# KiCad board panel_r0.1.kicad_pcb (continued)
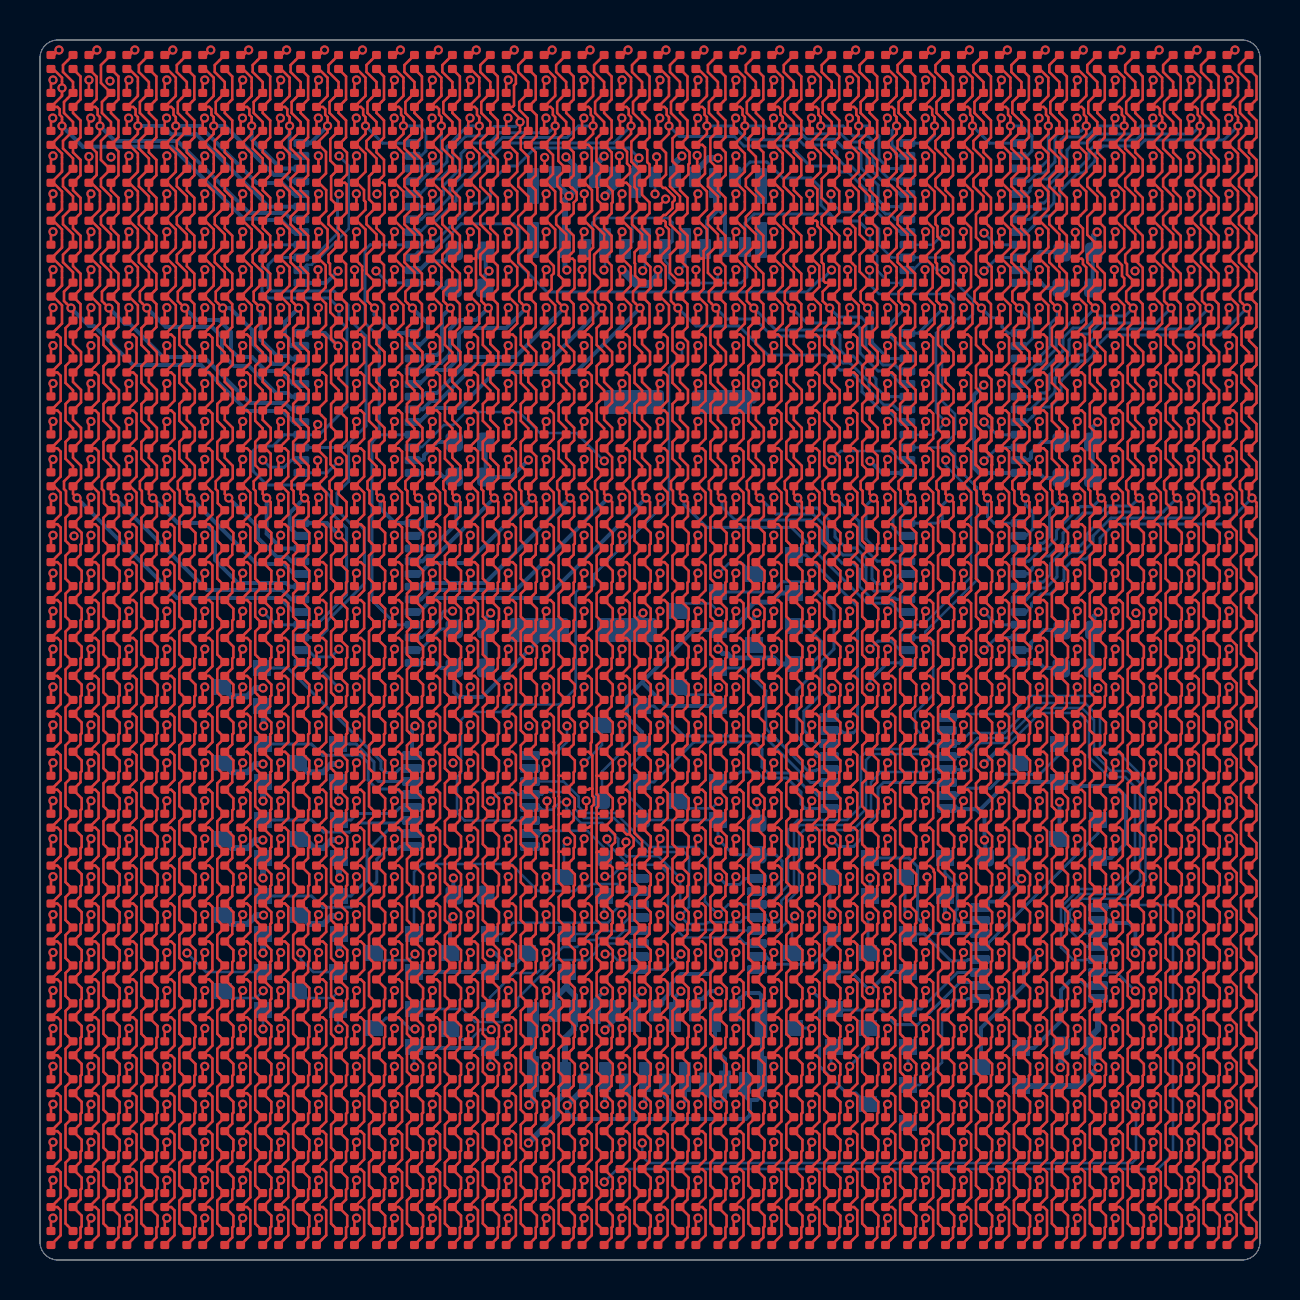
[diagram p0: board, top side]
## Routing (per net, layer and track width the routed paths; a pad name or vN(x,y) marks a point on that pad's centre or on a via; arc(x,y) is an arc through that point) (continued)
  Bottom w0.15: U6.6 42.82,33.03 42.75,33.1 41.55,33.1 40.97,33.67 40.97,34.53 40.65,34.85 40.1,34.85 39.1,35.85 39.1,36.45 38.55,37 34.75,37 34.1,37.65 v1(34.1,38.1)
COL_GA18: length 79.6
  Top w0.127: D19.3 36.17,59.18 36.17,58.03 D51.3 35.79,57.35 36.17,56.98 36.17,56.13 D83.3 36.17,55.38 36.17,54.23 D115.3 35.79,53.49 36.17,53.11 36.17,52.34 D147.3 35.79,51.59 36.17,51.21 36.17,50.44 D179.3 35.79,49.69 36.17,49.32 36.17,48.54 D211.3 36.17,47.8 36.17,46.65 D243.3 35.79,45.8 36.19,45.4 36.19,44.78 D275.3 35.82,44.38 36.19,44.01 36.19,42.88 D307.3 35.79,42.01 36.19,41.61 36.19,40.98 D339.3 35.79,40.11 36.19,39.71 36.19,39.09 D371.3 35.79,38.3 v1(35.99,38.1) 36.19,37.9 36.19,37.19 D403.3 36.22,36.36 36.22,35.82 36.17,35.76 36.17,35.27 D435.3 36.22,34.46 36.22,33.92 36.17,33.87 36.17,33.37 D467.3 36.22,32.57 36.22,32.03 36.17,31.97 36.17,31.47 D499.3 36.22,30.67 36.22,30.13 36.17,30.07 36.17,29.58 D531.3 36.22,28.77 36.22,28.23 36.17,28.18 36.17,27.68 D563.3 36.22,26.87 36.22,26.34 36.17,26.28 36.17,25.78 D595.3 36.22,24.98 36.22,24.44 36.17,24.38 36.17,23.89 D627.3 36.22,23.08 36.22,22.54 36.17,22.49 36.17,21.99 D659.3 36.22,21.18 36.22,20.65 36.17,20.59 36.17,20.09 D691.3 36.22,19.29 36.22,18.75 36.17,18.69 36.17,18.2 D723.3 36.22,17.39 36.22,16.85 36.17,16.8 36.17,16.3 D755.3 36.22,15.49 36.22,14.96 36.17,14.9 36.17,14.4 D787.3 36.22,13.6 36.22,13.06 36.17,13 36.17,12.51 D819.3 36.22,11.7 36.22,11.16 36.17,11.11 36.17,10.61 D851.3 36.22,9.8 36.22,9.27 36.17,9.21 36.17,8.71 D883.3 36.22,7.91 36.22,7.37 36.17,7.31 36.17,6.82 D915.3 36.22,6.01 36.22,5.47 36.17,5.42 36.17,4.92 D947.3 36.22,4.11 36.22,3.58 36.17,3.52 36.17,3.02 D979.3 36.22,2.22 36.22,1.68 36.17,1.62 36.17,1.13 D1011.3
  Bottom w0.15: v1(35.99,38.1) 36.79,37.3 38.65,37.3 39.38,36.58 39.38,36.03 40.15,35.25 40.7,35.25 41.3,34.65 41.3,33.85 41.7,33.45 42.65,33.45 42.87,33.67 U6.7
COL_GA19: length 77.8
  Top w0.127: D20.3 38.06,59.18 38.06,58.03 D52.3 37.69,57.35 38.06,56.98 38.06,56.13 D84.3 37.69,55.38 38.06,55.01 38.06,54.23 D116.3 37.69,53.49 38.06,53.11 38.06,52.34 D148.3 37.69,51.59 38.06,51.21 38.06,50.44 D180.3 37.69,49.69 38.06,49.32 38.06,48.54 D212.3 38.06,47.8 38.06,46.65 D244.3 37.69,45.8 38.09,45.4 38.09,44.78 D276.3 37.69,43.9 38.09,43.5 38.09,42.88 D308.3 37.69,42.01 38.09,41.61 38.09,40.98 D340.3 37.69,40.11 38.09,39.71 38.09,39.09 D372.3 37.69,38.3 v1(37.89,38.1) 38.09,37.9 38.09,37.19 D404.3 38.12,36.36 38.12,35.82 38.06,35.76 38.06,35.27 D436.3 38.12,34.46 38.12,33.92 38.06,33.87 38.06,33.37 D468.3 38.12,32.57 38.12,32.03 38.06,31.97 38.06,31.47 D500.3 38.12,30.67 38.12,30.13 38.06,30.07 38.06,29.58 D532.3 38.12,28.77 38.12,28.23 38.06,28.18 38.06,27.68 D564.3 38.12,26.87 38.12,26.34 38.06,26.28 38.06,25.78 D596.3 38.12,24.98 38.12,24.44 38.06,24.38 38.06,23.89 D628.3 38.12,23.08 38.12,22.54 38.06,22.49 38.06,21.99 D660.3 38.12,21.18 38.12,20.65 38.06,20.59 38.06,20.09 D692.3 38.12,19.29 38.12,18.75 38.06,18.69 38.06,18.2 D724.3 38.12,17.39 38.12,16.85 38.06,16.8 38.06,16.3 D756.3 38.12,15.49 38.12,14.96 38.06,14.9 38.06,14.4 D788.3 38.12,13.6 38.12,13.06 38.06,13 38.06,12.51 D820.3 38.12,11.7 38.12,11.16 38.06,11.11 38.06,10.61 D852.3 38.12,9.8 38.12,9.27 38.06,9.21 38.06,8.71 D884.3 38.12,7.91 38.12,7.37 38.06,7.31 38.06,6.82 D916.3 38.12,6.01 38.12,5.47 38.06,5.42 38.06,4.92 D948.3 38.12,4.11 38.12,3.58 38.06,3.52 38.06,3.02 D980.3 38.12,2.22 38.12,1.68 38.06,1.62 38.06,1.13 D1012.3
  Bottom w0.15: v1(37.89,38.1) 37.89,37.77 38.06,37.6 38.85,37.6 39.75,36.7 39.75,36.15 40.3,35.6 40.8,35.6 41.6,34.8 41.6,34.05 41.85,33.8 42.5,33.8 42.95,34.25 43.32,34.25 U6.8
COL_GA20: length 74.9
  Top w0.127: D1013.3 39.96,1.13 39.96,1.62 40.02,1.68 40.02,2.22 D981.3 39.96,3.02 39.96,3.52 40.02,3.58 40.02,4.11 D949.3 39.96,4.92 39.96,5.42 40.02,5.47 40.02,6.01 D917.3 39.96,6.82 39.96,7.31 40.02,7.37 40.02,7.91 D885.3 39.96,8.71 39.96,9.21 40.02,9.27 40.02,9.8 D853.3 39.96,10.61 39.96,11.11 40.02,11.16 40.02,11.7 D821.3 39.96,12.51 39.96,13 40.02,13.06 40.02,13.6 D789.3 39.96,14.4 39.96,14.9 40.02,14.96 40.02,15.49 D757.3 39.96,16.3 39.96,16.8 40.02,16.85 40.02,17.39 D725.3 39.96,18.2 39.96,18.69 40.02,18.75 40.02,19.29 D693.3 39.96,20.09 39.96,20.59 40.02,20.65 40.02,21.18 D661.3 39.96,21.99 39.96,22.49 40.02,22.54 40.02,23.08 D629.3 39.96,23.89 39.96,24.38 40.02,24.44 40.02,24.98 D597.3 39.96,25.78 39.96,26.28 40.02,26.34 40.02,26.87 D565.3 39.96,27.68 39.96,28.18 40.02,28.23 40.02,28.77 D533.3 39.96,29.58 39.96,30.07 40.02,30.13 40.02,30.67 D501.3 39.96,31.47 39.96,31.97 40.02,32.03 40.02,32.57 D469.3 39.96,33.37 39.96,33.87 40.02,33.92 40.02,34.46 D437.3 39.96,35.27 39.96,35.76 40.02,35.82 40.02,36.36 D405.3 39.99,37.19 39.99,37.9 v1(39.79,38.1) 39.59,38.3 D373.3 39.99,39.09 39.99,40.16 39.59,40.56 D341.3 39.99,40.98 39.99,41.61 39.59,42.01 D309.3 39.99,42.88 39.99,43.5 39.59,43.9 D277.3 39.99,44.78 39.99,45.4 39.59,45.8 D245.3 39.96,46.65 39.96,47.8 D213.3 39.96,48.54 39.96,49.69 D181.3 39.96,50.44 39.96,51.21 39.59,51.59 D149.3 39.96,52.34 39.96,53.44 39.59,53.81 D117.3 39.96,54.23 39.96,55.01 39.59,55.38 D85.3 39.96,56.13 39.96,56.98 39.59,57.35 D53.3 39.96,58.03 39.96,59.18 D21.3
  Bottom w0.15: U6.9 41.86,34.94 40.95,35.85 40.95,36.94 v1(39.79,38.1)
COL_GA21: length 73.9
  Top w0.127: D1014.3 41.86,1.13 41.86,1.62 41.91,1.68 41.91,2.22 D982.3 41.86,3.02 41.86,3.52 41.91,3.58 41.91,4.11 D950.3 41.86,4.92 41.86,5.42 41.91,5.47 41.91,6.01 D918.3 41.86,6.82 41.86,7.31 41.91,7.37 41.91,7.91 D886.3 41.86,8.71 41.86,9.21 41.91,9.27 41.91,9.8 D854.3 41.86,10.61 41.86,11.11 41.91,11.16 41.91,11.7 D822.3 41.86,12.51 41.86,13 41.91,13.06 41.91,13.6 D790.3 41.86,14.4 41.86,14.9 41.91,14.96 41.91,15.49 D758.3 41.86,16.3 41.86,16.8 41.91,16.85 41.91,17.39 D726.3 41.86,18.2 41.86,18.69 41.91,18.75 41.91,19.29 D694.3 41.86,20.09 41.86,20.59 41.91,20.65 41.91,21.18 D662.3 41.86,21.99 41.86,22.49 41.91,22.54 41.91,23.08 D630.3 41.86,23.89 41.86,24.38 41.91,24.44 41.91,24.98 D598.3 41.86,25.78 41.86,26.28 41.91,26.34 41.91,26.87 D566.3 41.86,27.68 41.86,28.18 41.91,28.23 41.91,28.77 D534.3 41.86,29.58 41.86,30.07 41.91,30.13 41.91,30.67 D502.3 41.86,31.47 41.86,31.97 41.91,32.03 41.91,32.57 D470.3 41.86,33.37 41.86,33.87 41.91,33.92 41.91,34.46 D438.3 41.86,35.27 41.86,35.76 41.91,35.82 41.91,36.36 D406.3 41.88,37.19 41.88,37.9 v1(41.68,38.1) 41.48,38.3 D374.3 41.88,39.09 41.88,40.22 41.52,40.58 D342.3 41.88,40.98 41.88,41.61 41.48,42.01 D310.3 41.88,42.88 41.88,43.5 41.48,43.9 D278.3 41.88,44.78 41.88,45.4 41.48,45.8 D246.3 41.86,46.65 41.86,47.8 D214.3 41.86,48.54 41.86,49.74 41.53,50.07 D182.3 41.86,50.44 41.86,51.59 41.49,51.96 D150.3 41.86,52.34 41.86,53.11 41.48,53.49 D118.3 41.86,54.23 41.86,55.01 41.48,55.38 D86.3 41.86,56.13 41.86,56.98 41.48,57.35 D54.3 41.86,58.03 41.86,59.18 D22.3
  Bottom w0.15: v1(41.68,38.1) 41.3,37.72 41.3,36.05 41.78,35.57 U6.10
COL_GA22: length 72.2
  Top w0.127: D23.3 43.75,59.18 43.75,58.03 D55.3 43.38,57.35 43.75,56.98 43.75,56.13 D87.3 43.38,55.38 43.75,55.01 43.75,54.23 D119.3 43.38,53.49 43.75,53.11 43.75,52.34 D151.3 43.38,51.59 43.75,51.21 43.75,50.44 D183.3 43.38,49.69 43.75,49.32 43.75,48.54 D215.3 43.75,47.8 43.75,46.65 D247.3 43.38,45.8 43.78,45.4 43.78,44.78 D279.3 43.38,43.9 43.78,43.5 43.78,42.88 D311.3 43.38,42.01 43.78,41.61 43.78,40.98 D343.3 43.38,40.11 43.78,39.71 43.78,39.09 D375.3 43.38,38.3 v1(43.58,38.1) 43.78,37.9 43.78,37.19 D407.3 43.81,36.36 43.81,35.82 43.75,35.76 43.75,35.27 D439.3 43.81,34.46 43.81,33.92 43.75,33.87 43.75,33.37 D471.3 43.81,32.57 43.81,32.03 43.75,31.97 43.75,31.47 D503.3 43.81,30.67 43.81,30.13 43.75,30.07 43.75,29.58 D535.3 43.81,28.77 43.81,28.23 43.75,28.18 43.75,27.68 D567.3 43.81,26.87 43.81,26.34 43.75,26.28 43.75,25.78 D599.3 43.81,24.98 43.81,24.44 43.75,24.38 43.75,23.89 D631.3 43.81,23.08 43.81,22.54 43.75,22.49 43.75,21.99 D663.3 43.81,21.18 43.81,20.65 43.75,20.59 43.75,20.09 D695.3 43.81,19.29 43.81,18.75 43.75,18.69 43.75,18.2 D727.3 43.81,17.39 43.81,16.85 43.75,16.8 43.75,16.3 D759.3 43.81,15.49 43.81,14.96 43.75,14.9 43.75,14.4 D791.3 43.81,13.6 43.81,13.06 43.75,13 43.75,12.51 D823.3 43.81,11.7 43.81,11.16 43.75,11.11 43.75,10.61 D855.3 43.81,9.8 43.81,9.27 43.75,9.21 43.75,8.71 D887.3 43.81,7.91 43.81,7.37 43.75,7.31 43.75,6.82 D919.3 43.81,6.01 43.81,5.47 43.75,5.42 43.75,4.92 D951.3 43.81,4.11 43.81,3.58 43.75,3.52 43.75,3.02 D983.3 43.81,2.22 43.81,1.68 43.75,1.62 43.75,1.13 D1015.3
  Bottom w0.15: v1(43.58,38.1) 42.65,37.17 42.65,36.6 43,36.25 43.33,36.25 U6.11
COL_GA23: length 72.4
  Top w0.127: D1016.3 45.65,1.13 45.65,1.62 45.71,1.68 45.71,2.22 D984.3 45.65,3.02 45.65,3.52 45.71,3.58 45.71,4.11 D952.3 45.65,4.92 45.65,5.42 45.71,5.47 45.71,6.01 D920.3 45.65,6.82 45.65,7.31 45.71,7.37 45.71,7.91 D888.3 45.65,8.71 45.65,9.21 45.71,9.27 45.71,9.8 D856.3 45.65,10.61 45.65,11.11 45.71,11.16 45.71,11.7 D824.3 45.65,12.51 45.65,13 45.71,13.06 45.71,13.6 D792.3 45.65,14.4 45.65,14.9 45.71,14.96 45.71,15.49 D760.3 45.65,16.3 45.65,16.8 45.71,16.85 45.71,17.39 D728.3 45.65,18.2 45.65,18.69 45.71,18.75 45.71,19.29 D696.3 45.65,20.09 45.65,20.59 45.71,20.65 45.71,21.18 D664.3 45.65,21.99 45.65,22.49 45.71,22.54 45.71,23.08 D632.3 45.65,23.89 45.65,24.38 45.71,24.44 45.71,24.98 D600.3 45.65,25.78 45.65,26.28 45.71,26.34 45.71,26.87 D568.3 45.65,27.68 45.65,28.18 45.71,28.23 45.71,28.77 D536.3 45.65,29.58 45.65,30.07 45.71,30.13 45.71,30.67 D504.3 45.65,31.47 45.65,31.97 45.71,32.03 45.71,32.57 D472.3 45.65,33.37 45.65,33.87 45.71,33.92 45.71,34.46 D440.3 45.65,35.27 45.65,35.76 45.71,35.82 45.71,36.36 D408.3 45.68,37.19 45.68,37.9 v1(45.48,38.1) 45.28,38.3 D376.3 45.68,39.09 45.68,40.17 45.28,40.57 D344.3 45.68,40.98 45.68,42.07 45.28,42.47 D312.3 45.68,42.88 45.68,43.5 45.28,43.9 D280.3 45.68,44.78 45.68,45.4 45.28,45.8 D248.3 45.65,46.65 45.65,47.8 D216.3 45.65,48.54 45.65,49.7 45.28,50.07 D184.3 45.65,50.44 45.65,51.6 45.29,51.96 D152.3 45.65,52.34 45.65,53.11 45.28,53.49 D120.3 45.65,54.23 45.65,55.01 45.28,55.38 D88.3 45.65,56.13 45.65,56.98 45.28,57.35 D56.3 45.65,58.03 45.65,59.18 D24.3
  Bottom w0.15: v1(45.48,38.1) 45.11,37.74 45.11,37.06 44.89,36.84 U6.12
COL_GA24: length 72.2
  Top w0.127: D25.3 47.55,59.18 47.55,58.03 D57.3 47.17,57.35 47.55,56.98 47.55,56.13 D89.3 47.17,55.38 47.55,55.01 47.55,54.23 D121.3 47.17,53.49 47.55,53.11 47.55,52.34 D153.3 47.58,51.56 47.58,50.48 D185.3 47.58,49.66 47.58,48.58 D217.3 47.55,47.8 47.55,46.65 D249.3 47.17,45.8 47.57,45.4 47.57,44.78 D281.3 47.22,44.38 47.57,44.03 47.57,42.88 D313.3 ; D377.3 47.17,38.3 v1(47.37,38.1) 47.57,37.9 47.57,37.19 D409.3 47.6,36.36 47.6,35.82 47.55,35.76 47.55,35.27 D441.3 47.6,34.46 47.6,33.92 47.55,33.87 47.55,33.37 D473.3 47.6,32.57 47.6,32.03 47.55,31.97 47.55,31.47 D505.3 47.6,30.67 47.6,30.13 47.55,30.07 47.55,29.58 D537.3 47.6,28.77 47.6,28.23 47.55,28.18 47.55,27.68 D569.3 47.6,26.87 47.6,26.34 47.55,26.28 47.55,25.78 D601.3 47.6,24.98 47.6,24.44 47.55,24.38 47.55,23.89 D633.3 47.6,23.08 47.6,22.54 47.55,22.49 47.55,21.99 D665.3 47.6,21.18 47.6,20.65 47.55,20.59 47.55,20.09 D697.3 47.6,19.29 47.6,18.75 47.55,18.69 47.55,18.2 D729.3 47.6,17.39 47.6,16.85 47.55,16.8 47.55,16.3 D761.3 47.6,15.49 47.6,14.96 47.55,14.9 47.55,14.4 D793.3 47.6,13.6 47.6,13.06 47.55,13 47.55,12.51 D825.3 47.6,11.7 47.6,11.16 47.55,11.11 47.55,10.61 D857.3 47.6,9.8 47.6,9.27 47.55,9.21 47.55,8.71 D889.3 47.6,7.91 47.6,7.37 47.55,7.31 47.55,6.82 D921.3 47.6,6.01 47.6,5.47 47.55,5.42 47.55,4.92 D953.3 47.6,4.11 47.6,3.58 47.55,3.52 47.55,3.02 D985.3 47.6,2.22 47.6,1.68 47.55,1.62 47.55,1.13 D1017.3
  Top w0.15: D377.3 47.58,39.1 47.58,39.75 47.59,39.76 47.59,40.16 D345.3 47.56,40.97 47.56,41.46 47.59,41.49 47.59,42.09 47.46,42.22 47.43,42.22 D313.3
  Bottom w0.15: v1(47.37,38.1) 47.37,37.18 47.71,36.84 U6.13
COL_GA25: length 72
  Top w0.127: D26.3 49.44,59.18 49.44,58.03 D58.3 49.07,57.35 49.44,56.98 49.44,56.13 D90.3 49.07,55.38 49.44,55.01 49.44,54.23 D122.3 49.07,53.49 49.44,53.11 49.44,52.34 D154.3 49.07,51.59 49.44,51.21 49.44,50.44 D186.3 49.07,49.69 49.44,49.32 49.44,48.54 D218.3 49.44,47.8 49.44,46.65 D250.3 49.07,45.8 49.47,45.4 49.47,44.78 D282.3 49.07,43.9 49.47,43.5 49.47,42.88 D314.3 49.07,42.01 49.47,41.61 49.47,40.98 D346.3 49.07,40.11 49.47,39.71 49.47,39.09 D378.3 49.07,38.3 v1(49.27,38.1) 49.47,37.9 49.47,37.19 D410.3 49.5,36.36 49.5,35.82 49.44,35.76 49.44,35.27 D442.3 49.5,34.46 49.5,33.92 49.44,33.87 49.44,33.37 D474.3 49.5,32.57 49.5,32.03 49.44,31.97 49.44,31.47 D506.3 49.5,30.67 49.5,30.13 49.44,30.07 49.44,29.58 D538.3 49.5,28.77 49.5,28.23 49.44,28.18 49.44,27.68 D570.3 49.5,26.87 49.5,26.34 49.44,26.28 49.44,25.78 D602.3 49.5,24.98 49.5,24.44 49.44,24.38 49.44,23.89 D634.3 49.5,23.08 49.5,22.54 49.44,22.49 49.44,21.99 D666.3 49.5,21.18 49.5,20.65 49.44,20.59 49.44,20.09 D698.3 49.5,19.29 49.5,18.75 49.44,18.69 49.44,18.2 D730.3 49.5,17.39 49.5,16.85 49.44,16.8 49.44,16.3 D762.3 49.5,15.49 49.5,14.96 49.44,14.9 49.44,14.4 D794.3 49.5,13.6 49.5,13.06 49.44,13 49.44,12.51 D826.3 49.5,11.7 49.5,11.16 49.44,11.11 49.44,10.61 D858.3 49.5,9.8 49.5,9.27 49.44,9.21 49.44,8.71 D890.3 49.5,7.91 49.5,7.37 49.44,7.31 49.44,6.82 D922.3 49.5,6.01 49.5,5.47 49.44,5.42 49.44,4.92 D954.3 49.5,4.11 49.5,3.58 49.44,3.52 49.44,3.02 D986.3 49.5,2.22 49.5,1.68 49.44,1.62 49.44,1.13 D1018.3
  Bottom w0.15: U6.14 49.31,36.21 49.65,36.55 49.65,37.39 49.27,37.77 v1(49.27,38.1)
COL_GA26: length 73.4
  Top w0.127: D27.3 51.34,59.18 51.34,58.03 D59.3 50.97,57.35 51.34,56.98 51.34,56.13 D91.3 50.97,55.38 51.34,55.01 51.34,54.23 D123.3 50.97,53.49 51.34,53.11 51.34,52.34 D155.3 50.97,51.59 51.34,51.21 51.34,50.44 D187.3 50.97,49.69 51.34,49.32 51.34,48.54 D219.3 51.34,47.8 51.34,46.65 D251.3 50.97,45.8 51.37,45.4 51.37,44.78 D283.3 50.97,43.9 51.37,43.5 51.37,42.88 D315.3 50.97,42.01 51.37,41.61 51.37,40.98 D347.3 50.97,40.11 51.37,39.71 51.37,39.09 D379.3 50.97,38.3 v1(51.17,38.1) 51.37,37.9 51.37,37.19 D411.3 51.4,36.36 51.4,35.82 51.34,35.76 51.34,35.27 D443.3 51.4,34.46 51.4,33.92 51.34,33.87 51.34,33.37 D475.3 51.4,32.57 51.4,32.03 51.34,31.97 51.34,31.47 D507.3 51.4,30.67 51.4,30.13 51.34,30.07 51.34,29.58 D539.3 51.4,28.77 51.4,28.23 51.34,28.18 51.34,27.68 D571.3 51.4,26.87 51.4,26.34 51.34,26.28 51.34,25.78 D603.3 51.4,24.98 51.4,24.44 51.34,24.38 51.34,23.89 D635.3 51.4,23.08 51.4,22.54 51.34,22.49 51.34,21.99 D667.3 51.4,21.18 51.4,20.65 51.34,20.59 51.34,20.09 D699.3 51.4,19.29 51.4,18.75 51.34,18.69 51.34,18.2 D731.3 51.4,17.39 51.4,16.85 51.34,16.8 51.34,16.3 D763.3 51.4,15.49 51.4,14.96 51.34,14.9 51.34,14.4 D795.3 51.4,13.6 51.4,13.06 51.34,13 51.34,12.51 D827.3 51.4,11.7 51.4,11.16 51.34,11.11 51.34,10.61 D859.3 51.4,9.8 51.4,9.27 51.34,9.21 51.34,8.71 D891.3 51.4,7.91 51.4,7.37 51.34,7.31 51.34,6.82 D923.3 51.4,6.01 51.4,5.47 51.34,5.42 51.34,4.92 D955.3 51.4,4.11 51.4,3.58 51.34,3.52 51.34,3.02 D987.3 51.4,2.22 51.4,1.68 51.34,1.62 51.34,1.13 D1019.3
  Bottom w0.15: v1(51.17,38.1) 50.48,37.41 50.48,36.17 50.15,35.84 49.89,35.84 49.62,35.57 U6.15
COL_GA27: length 75.1
  Top w0.127: D1020.3 53.24,1.13 53.24,1.62 53.3,1.68 53.3,2.22 D988.3 53.24,3.02 53.24,3.52 53.3,3.58 53.3,4.11 D956.3 53.24,4.92 53.24,5.42 53.3,5.47 53.3,6.01 D924.3 53.24,6.82 53.24,7.31 53.3,7.37 53.3,7.91 D892.3 53.24,8.71 53.24,9.21 53.3,9.27 53.3,9.8 D860.3 53.24,10.61 53.24,11.11 53.3,11.16 53.3,11.7 D828.3 53.24,12.51 53.24,13 53.3,13.06 53.3,13.6 D796.3 53.24,14.4 53.24,14.9 53.3,14.96 53.3,15.49 D764.3 53.24,16.3 53.24,16.8 53.3,16.85 53.3,17.39 D732.3 53.24,18.2 53.24,18.69 53.3,18.75 53.3,19.29 D700.3 53.24,20.09 53.24,20.59 53.3,20.65 53.3,21.18 D668.3 53.24,21.99 53.24,22.49 53.3,22.54 53.3,23.08 D636.3 53.24,23.89 53.24,24.38 53.3,24.44 53.3,24.98 D604.3 53.24,25.78 53.24,26.28 53.3,26.34 53.3,26.87 D572.3 53.24,27.68 53.24,28.18 53.3,28.23 53.3,28.77 D540.3 53.24,29.58 53.24,30.07 53.3,30.13 53.3,30.67 D508.3 53.24,31.47 53.24,31.97 53.3,32.03 53.3,32.57 D476.3 53.24,33.37 53.24,33.87 53.3,33.92 53.3,34.46 D444.3 53.24,35.27 53.24,35.76 53.3,35.82 53.3,36.36 D412.3 53.26,37.19 53.26,37.9 v1(53.06,38.1) 52.86,38.3 D380.3 53.26,39.09 53.26,39.71 52.86,40.11 D348.3 53.26,40.98 53.26,42.08 D316.3 53.26,42.88 53.26,43.5 52.86,43.9 D284.3 53.26,44.78 53.26,45.4 52.86,45.8 D252.3 53.24,46.65 53.24,47.8 D220.3 53.24,48.54 53.24,49.32 52.86,49.69 D188.3 53.24,50.44 53.24,51.61 52.89,51.96 D156.3 53.24,52.34 53.24,53.11 52.86,53.49 D124.3 53.24,54.23 53.24,55.01 52.86,55.38 D92.3 53.24,56.13 53.24,56.98 52.86,57.35 D60.3 53.24,58.03 53.24,59.18 D28.3
  Bottom w0.15: v1(53.06,38.1) 52.63,37.67 52.02,37.67 50.82,36.47 50.82,36.08 50.3,35.55 50.05,35.55 49.44,34.94 U6.16
COL_GA28: length 77.3
  Top w0.127: D1021.3 55.13,1.13 55.13,1.62 55.19,1.68 55.19,2.22 D989.3 55.13,3.02 55.13,3.52 55.19,3.58 55.19,4.11 D957.3 55.13,4.92 55.13,5.42 55.19,5.47 55.19,6.01 D925.3 55.13,6.82 55.13,7.31 55.19,7.37 55.19,7.91 D893.3 55.13,8.71 55.13,9.21 55.19,9.27 55.19,9.8 D861.3 55.13,10.61 55.13,11.11 55.19,11.16 55.19,11.7 D829.3 55.13,12.51 55.13,13 55.19,13.06 55.19,13.6 D797.3 55.13,14.4 55.13,14.9 55.19,14.96 55.19,15.49 D765.3 55.13,16.3 55.13,16.8 55.19,16.85 55.19,17.39 D733.3 55.13,18.2 55.13,18.69 55.19,18.75 55.19,19.29 D701.3 55.13,20.09 55.13,20.59 55.19,20.65 55.19,21.18 D669.3 55.13,21.99 55.13,22.49 55.19,22.54 55.19,23.08 D637.3 55.13,23.89 55.13,24.38 55.19,24.44 55.19,24.98 D605.3 55.13,25.78 55.13,26.28 55.19,26.34 55.19,26.87 D573.3 55.13,27.68 55.13,28.18 55.19,28.23 55.19,28.77 D541.3 55.13,29.58 55.13,30.07 55.19,30.13 55.19,30.67 D509.3 55.13,31.47 55.13,31.97 55.19,32.03 55.19,32.57 D477.3 55.13,33.37 55.13,33.87 55.19,33.92 55.19,34.46 D445.3 55.13,35.27 55.13,35.76 55.19,35.82 55.19,36.36 D413.3 55.16,37.19 55.16,37.9 v1(54.96,38.1) 54.76,38.3 D381.3 55.16,39.09 55.16,39.71 54.76,40.11 D349.3 55.16,40.98 55.16,41.61 54.76,42.01 D317.3 55.16,42.88 55.16,43.5 54.76,43.9 D285.3 55.16,44.78 55.16,45.4 54.76,45.8 D253.3 55.13,46.65 55.13,47.8 D221.3 55.13,48.54 55.13,49.62 54.76,49.99 D189.3 55.13,50.44 55.13,51.21 54.76,51.59 D157.3 55.13,52.34 55.13,53.11 54.76,53.49 D125.3 55.13,54.23 55.13,55.01 54.76,55.38 D93.3 55.13,56.13 55.13,56.98 54.76,57.35 D61.3 55.13,58.03 55.13,59.18 D29.3
  Bottom w0.15: U6.17 49.4,34.3 49.6,34.5 49.6,34.6 50.2,35.2 50.45,35.2 51.15,35.9 51.15,36.35 52.15,37.35 53,37.35 53.35,37.7 54.56,37.7 v1(54.96,38.1)
COL_GA29: length 79.6
  Top w0.127: D30.3 57.03,59.18 57.03,58.03 D62.3 56.66,57.35 57.03,56.98 57.03,56.13 D94.3 56.66,55.38 57.03,55.01 57.03,54.23 D126.3 56.66,53.49 57.03,53.11 57.03,52.34 D158.3 56.66,51.59 57.03,51.21 57.03,50.44 D190.3 56.66,49.69 57.03,49.32 57.03,48.54 D222.3 57.03,47.8 57.03,46.65 D254.3 56.66,45.8 57.06,45.4 57.06,44.78 D286.3 56.66,43.9 57.06,43.5 57.06,42.88 D318.3 56.66,42.01 57.06,41.61 57.06,40.98 D350.3 56.66,40.11 57.06,39.71 57.06,39.09 D382.3 56.66,38.3 v1(56.86,38.1) 57.06,37.9 57.06,37.19 D414.3 57.09,36.36 57.09,35.82 57.03,35.76 57.03,35.27 D446.3 57.09,34.46 57.09,33.92 57.03,33.87 57.03,33.37 D478.3 57.09,32.57 57.09,32.03 57.03,31.97 57.03,31.47 D510.3 57.09,30.67 57.09,30.13 57.03,30.07 57.03,29.58 D542.3 57.09,28.77 57.09,28.23 57.03,28.18 57.03,27.68 D574.3 57.09,26.87 57.09,26.34 57.03,26.28 57.03,25.78 D606.3 57.09,24.98 57.09,24.44 57.03,24.38 57.03,23.89 D638.3 57.09,23.08 57.09,22.54 57.03,22.49 57.03,21.99 D670.3 57.09,21.18 57.09,20.65 57.03,20.59 57.03,20.09 D702.3 57.09,19.29 57.09,18.75 57.03,18.69 57.03,18.2 D734.3 57.09,17.39 57.09,16.85 57.03,16.8 57.03,16.3 D766.3 57.09,15.49 57.09,14.96 57.03,14.9 57.03,14.4 D798.3 57.09,13.6 57.09,13.06 57.03,13 57.03,12.51 D830.3 57.09,11.7 57.09,11.16 57.03,11.11 57.03,10.61 D862.3 57.09,9.8 57.09,9.27 57.03,9.21 57.03,8.71 D894.3 57.09,7.91 57.09,7.37 57.03,7.31 57.03,6.82 D926.3 57.09,6.01 57.09,5.47 57.03,5.42 57.03,4.92 D958.3 57.09,4.11 57.09,3.58 57.03,3.52 57.03,3.02 D990.3 57.09,2.22 57.09,1.68 57.03,1.62 57.03,1.13 D1022.3
  Bottom w0.15: v1(56.86,38.1) 56.16,37.4 53.45,37.4 52.35,36.3 52.35,36.05 52,35.7 51.4,35.7 50.53,34.83 50.53,34.28 50.15,33.9 49.5,33.9 49.27,33.67 U6.18
COL_GA30: length 81.8
  Top w0.127: D31.3 58.93,59.18 58.93,58.03 D63.3 58.55,57.35 58.93,56.98 58.93,56.13 D95.3 58.55,55.38 58.93,55.01 58.93,54.23 D127.3 58.55,53.49 58.93,53.11 58.93,52.34 D159.3 58.55,51.59 58.93,51.21 58.93,50.44 D191.3 58.55,49.69 58.93,49.32 58.93,48.54 D223.3 58.93,47.8 58.93,46.65 D255.3 58.55,45.8 58.95,45.4 58.95,44.78 D287.3 58.55,43.9 58.95,43.5 58.95,42.88 D319.3 58.55,42.01 58.95,41.61 58.95,40.98 D351.3 58.55,40.11 58.95,39.71 58.95,39.09 D383.3 58.55,38.3 v1(58.75,38.1) 58.95,37.9 58.95,37.19 D415.3 58.99,36.36 58.99,35.82 58.93,35.76 58.93,35.27 D447.3 58.99,34.46 58.99,33.92 58.93,33.87 58.93,33.37 D479.3 58.99,32.57 58.99,32.03 58.93,31.97 58.93,31.47 D511.3 58.99,30.67 58.99,30.13 58.93,30.07 58.93,29.58 D543.3 58.99,28.77 58.99,28.23 58.93,28.18 58.93,27.68 D575.3 58.99,26.87 58.99,26.34 58.93,26.28 58.93,25.78 D607.3 58.99,24.98 58.99,24.44 58.93,24.38 58.93,23.89 D639.3 58.99,23.08 58.99,22.54 58.93,22.49 58.93,21.99 D671.3 58.99,21.18 58.99,20.65 58.93,20.59 58.93,20.09 D703.3 58.99,19.29 58.99,18.75 58.93,18.69 58.93,18.2 D735.3 58.99,17.39 58.99,16.85 58.93,16.8 58.93,16.3 D767.3 58.99,15.49 58.99,14.96 58.93,14.9 58.93,14.4 D799.3 58.99,13.6 58.99,13.06 58.93,13 58.93,12.51 D831.3 58.99,11.7 58.99,11.16 58.93,11.11 58.93,10.61 D863.3 58.99,9.8 58.99,9.27 58.93,9.21 58.93,8.71 D895.3 58.99,7.91 58.99,7.37 58.93,7.31 58.93,6.82 D927.3 58.99,6.01 58.99,5.47 58.93,5.42 58.93,4.92 D959.3 58.99,4.11 58.99,3.58 58.93,3.52 58.93,3.02 D991.3 58.99,2.22 58.99,1.68 58.93,1.62 58.93,1.13 D1023.3
  Bottom w0.15: v1(58.75,38.1) 57.75,37.1 53.55,37.1 52.65,36.2 52.65,35.9 52.15,35.4 51.55,35.4 50.85,34.7 50.85,34.15 50.3,33.6 49.9,33.6 49.33,33.03 U6.19
COL_GA31: length 83.1
  Top w0.127: D32.3 60.83,59.18 60.83,58.03 D64.3 60.45,57.35 60.83,56.98 60.83,56.13 D96.3 60.45,55.38 60.83,55.01 60.83,54.23 D128.3 60.45,53.49 60.83,53.11 60.83,52.34 D160.3 60.45,51.59 60.83,51.21 60.83,50.44 D192.3 60.45,49.69 60.83,49.32 60.83,48.54 D224.3 60.83,47.8 60.83,46.65 D256.3 60.45,45.97 60.83,45.6 60.83,44.75 D288.3 60.45,44.07 60.83,43.7 60.83,42.85 D320.3 60.45,42.18 60.83,41.8 60.83,40.96 D352.3 60.45,40.28 60.83,39.91 60.83,39.06 D384.3 60.45,38.25 v1(60.6,38.1) 60.83,37.87 60.83,37.68 60.83,37.68 60.83,37.16 D416.3 60.45,36.4 60.83,36.03 60.83,35.27 D448.3 60.45,34.5 60.83,34.13 60.83,33.37 D480.3 60.45,32.61 60.83,32.23 60.83,31.47 D512.3 60.45,30.71 60.83,30.34 60.83,29.58 D544.3 60.45,28.81 60.83,28.44 60.83,27.68 D576.3 60.45,26.92 60.83,26.54 60.83,25.78 D608.3 60.45,25.02 60.83,24.65 60.83,23.89 D640.3 60.45,23.12 60.83,22.75 60.83,21.99 D672.3 60.45,21.23 60.83,20.85 60.83,20.09 D704.3 60.45,19.33 60.83,18.96 60.83,18.2 D736.3 60.45,17.43 60.83,17.06 60.83,16.3 D768.3 60.45,15.54 60.83,15.16 60.83,14.4 D800.3 60.45,13.64 60.83,13.27 60.83,12.51 D832.3 60.45,11.74 60.83,11.37 60.83,10.61 D864.3 60.45,9.85 60.83,9.47 60.83,8.71 D896.3 60.45,7.95 60.83,7.58 60.83,6.82 D928.3 60.45,6.05 60.83,5.68 60.83,4.92 D960.3 60.45,4.16 60.83,3.78 60.83,3.02 D992.3 60.45,2.26 60.83,1.89 60.83,1.13 D1024.3
  Bottom w0.15: v1(60.6,38.1) 59.3,36.8 53.7,36.8 53,36.1 53,35.75 52.3,35.05 51.7,35.05 51.2,34.55 51.2,34 50.5,33.3 50.05,33.3 49.57,32.83 49.57,32.67 49.3,32.4 U6.20
COL_RA0: length 83
  Top w0.127: D993.2 1.28,1.82 1.28,2.97 D961.2 1.28,3.72 1.28,4.87 D929.2 1.28,5.62 1.28,6.77 D897.2 1.28,7.51 1.28,8.66 D865.2 1.28,9.41 1.28,10.56 D833.2 1.28,11.31 1.28,12.46 D801.2 1.28,13.2 1.28,14.35 D769.2 1.28,15.1 1.28,16.25 D737.2 1.28,17 1.28,18.15 D705.2 1.28,18.89 1.28,20.04 D673.2 1.28,20.79 1.28,21.94 D641.2 1.28,22.69 1.28,23.84 D609.2 1.28,24.58 1.28,25.73 D577.2 1.28,26.48 1.28,27.63 D545.2 1.28,28.38 1.28,29.53 D513.2 1.28,30.27 1.28,31.42 D481.2 1.28,32.17 1.28,33.32 D449.2 1.28,34.07 1.28,35.22 D417.2 1.28,35.96 1.28,37.11 D385.2 1.3,37.84 1.3,38.45 1.2,38.55 1.2,38.93 D353.2 1.65,39.69 1.28,40.06 1.28,40.91 D321.2 1.65,41.58 1.28,41.96 1.28,42.8 D289.2 1.65,43.48 1.28,43.85 1.28,44.7 D257.2 1.65,45.38 1.28,45.75 1.28,46.6 D225.2 1.65,47.5 v1(1.55,47.6) 1.2,47.95 1.2,48.42 D193.2 1.65,49.39 1.15,49.89 1.15,50.26 D161.2 1.65,51.28 1.15,51.78 1.15,52.16 D129.2 1.65,53.18 1.15,53.68 1.15,54.06 D97.2 1.65,55.08 1.15,55.58 1.15,55.95 D65.2 1.65,56.9 1.2,57.35 1.2,57.9 D33.2 1.65,58.65 1.65,58.66 1.65,58.9 1.15,59.4 1.15,59.75 D1.2
  Bottom w0.2: v1(1.55,47.6) 2.45,46.7 2.7,46.7 4.65,44.75 8.05,44.75 10.35,42.45 12.13,42.45 12.68,41.9 U7.5
